# Altium PCB Drone.PcbDoc (part 1 of 2) (continued)
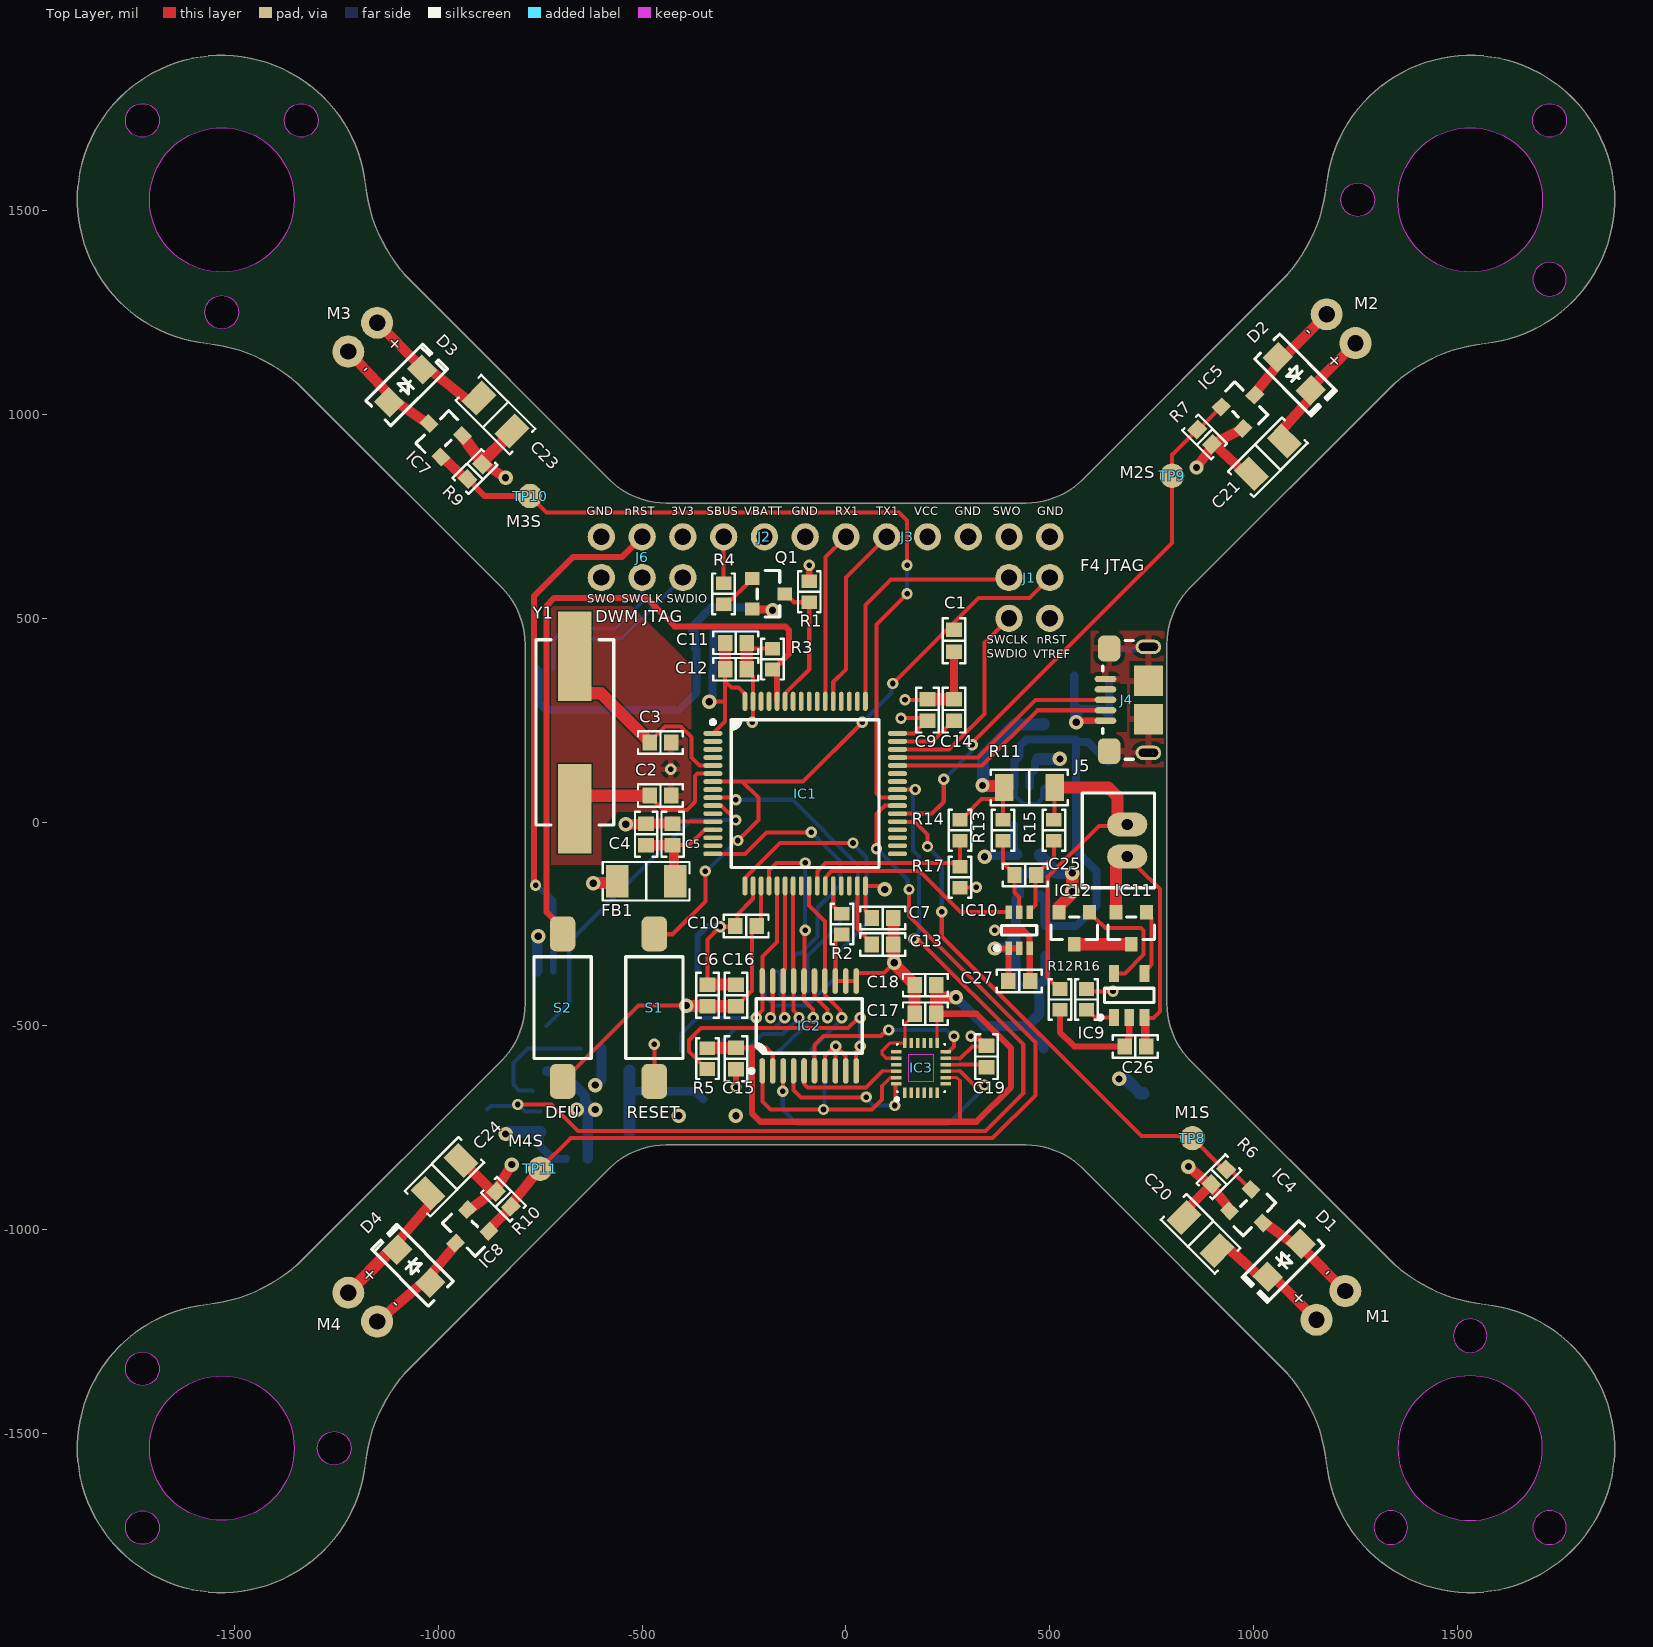
[diagram p0: Top Layer view]

## Layer stack, top to bottom
Top Solder: solder mask 0.4, Solder Resist, Dk 3.5
Top Layer: signal copper 1.4
Dielectric 2: prepreg 2.8, PP-006, Dk 4.1
Layer 1: plane copper 1.378, net GND
Dielectric5: dielectric 12.6, FR-4, Dk 4.8
Layer 2: signal copper 1.378
Dielectric 1: dielectric 12.6, FR-4, Dk 4.8
Bottom Layer: signal copper 1.4
Bottom Solder: solder mask 0.4, Solder Resist, Dk 3.5

## Board outline
-1178.56,-1572.27 cw(c-1531,-1535.69) -1567.57,-1183.26 ccw(c-1608.21,-791.66) -1329.82,-1070.05 -844.92,-585.15 ccw(c-984.11,-445.95) -787.26,-445.95 -787.26,436.84 ccw(c-984.11,436.84) -844.92,576.03 -1329.82,1060.93 ccw(c-1608.21,782.54) -1567.57,1174.14 cw(c-1531,1526.58) -1178.56,1563.15 ccw(c-786.96,1603.79) -1065.35,1325.4 -580.45,840.5 ccw(c-441.25,979.7) -441.25,782.84 441.54,782.84 ccw(c441.54,979.7) 580.73,840.5 1065.63,1325.4 ccw(c787.24,1603.79) 1178.84,1563.15 cw(c1531.28,1526.58) 1567.85,1174.14 ccw(c1608.49,782.54) 1330.1,1060.93 845.2,576.03 ccw(c984.39,436.84) 787.54,436.84 787.54,-445.95 ccw(c984.39,-445.95) 845.2,-585.15 1330.1,-1070.05 ccw(c1608.49,-791.66) 1567.85,-1183.26 cw(c1531.28,-1535.69) 1178.84,-1572.27 ccw(c787.24,-1612.9) 1065.63,-1334.52 580.73,-849.61 ccw(c441.54,-988.81) 441.54,-791.96 -441.25,-791.96 ccw(c-441.25,-988.81) -580.45,-849.61 -1065.35,-1334.52 ccw(c-786.96,-1612.9)
cut-out: -1725.87,1680.11 cw(c-1725.87,1721.45) -1767.21,1721.45 cw(c-1725.87,1721.45) -1725.87,1762.79 cw(c-1725.87,1721.45) -1684.53,1721.45 cw(c-1725.87,1721.45)
cut-out: -1336.12,1680.11 cw(c-1336.12,1721.45) -1377.46,1721.45 cw(c-1336.12,1721.45) -1336.12,1762.79 cw(c-1336.12,1721.45) -1294.79,1721.45 cw(c-1336.12,1721.45)
cut-out: -1531,1209.65 cw(c-1531,1250.99) -1572.33,1250.99 cw(c-1531,1250.99) -1531,1292.33 cw(c-1531,1250.99) -1489.66,1250.99 cw(c-1531,1250.99)
cut-out: -1531,1349.41 cw(c-1531,1526.58) -1708.16,1526.58 cw(c-1531,1526.58) -1531,1703.75 cw(c-1531,1526.58) -1353.83,1526.58 cw(c-1531,1526.58)
cut-out: -1255.41,-1577.03 cw(c-1255.41,-1535.69) -1296.74,-1535.69 cw(c-1255.41,-1535.69) -1255.41,-1494.36 cw(c-1255.41,-1535.69) -1214.07,-1535.69 cw(c-1255.41,-1535.69)
cut-out: -1725.87,-1382.16 cw(c-1725.87,-1340.82) -1767.21,-1340.82 cw(c-1725.87,-1340.82) -1725.87,-1299.48 cw(c-1725.87,-1340.82) -1684.53,-1340.82 cw(c-1725.87,-1340.82)
cut-out: -1725.87,-1771.9 cw(c-1725.87,-1730.57) -1767.21,-1730.57 cw(c-1725.87,-1730.57) -1725.87,-1689.23 cw(c-1725.87,-1730.57) -1684.53,-1730.57 cw(c-1725.87,-1730.57)
cut-out: -1531,-1712.86 cw(c-1531,-1535.69) -1708.16,-1535.69 cw(c-1531,-1535.69) -1531,-1358.53 cw(c-1531,-1535.69) -1353.83,-1535.69 cw(c-1531,-1535.69)
cut-out: 1684.81,-1730.57 ccw(c1726.15,-1730.57) 1726.15,-1771.9 ccw(c1726.15,-1730.57) 1767.49,-1730.57 ccw(c1726.15,-1730.57) 1726.15,-1689.23 ccw(c1726.15,-1730.57)
cut-out: 1489.94,-1260.1 ccw(c1531.28,-1260.1) 1531.28,-1301.44 ccw(c1531.28,-1260.1) 1572.62,-1260.1 ccw(c1531.28,-1260.1) 1531.28,-1218.76 ccw(c1531.28,-1260.1)
cut-out: 1295.07,-1730.57 ccw(c1336.41,-1730.57) 1336.41,-1771.9 ccw(c1336.41,-1730.57) 1377.74,-1730.57 ccw(c1336.41,-1730.57) 1336.41,-1689.23 ccw(c1336.41,-1730.57)
cut-out: 1354.11,-1535.69 ccw(c1531.28,-1535.69) 1531.28,-1712.86 ccw(c1531.28,-1535.69) 1708.44,-1535.69 ccw(c1531.28,-1535.69) 1531.28,-1358.53 ccw(c1531.28,-1535.69)
cut-out: 1684.81,1331.71 ccw(c1726.15,1331.71) 1726.15,1290.37 ccw(c1726.15,1331.71) 1767.49,1331.71 ccw(c1726.15,1331.71) 1726.15,1373.05 ccw(c1726.15,1331.71)
cut-out: 1726.15,1680.11 cw(c1726.15,1721.45) 1684.81,1721.45 cw(c1726.15,1721.45) 1726.15,1762.79 cw(c1726.15,1721.45) 1767.49,1721.45 cw(c1726.15,1721.45)
cut-out: 1354.11,1526.58 cw(c1531.28,1526.58) 1531.28,1703.75 cw(c1531.28,1526.58) 1708.44,1526.58 cw(c1531.28,1526.58) 1531.28,1349.41 cw(c1531.28,1526.58)
cut-out: 1255.69,1485.24 cw(c1255.69,1526.58) 1214.35,1526.58 cw(c1255.69,1526.58) 1255.69,1567.92 cw(c1255.69,1526.58) 1297.03,1526.58 cw(c1255.69,1526.58)

## Design rules (kind name [scope] priority, off if disabled: settings)
BoardOutlineClearance [All] p1: gap=7.87 ignorepadtopadclearanceinfootprint=FALSE
Clearance [All] p1: gap=4 ignorepadtopadclearanceinfootprint=FALSE except(5: Arc-Via Track-Via SMDPad-Via THPad-Via Via-Via Via-Fill Via-Poly Via-Region Via-Text; 9.84: Arc-Hole Track-Hole SMDPad-Hole THPad-Hole Via-Hole Fill-Hole Poly-Hole Region-Hole Text-Hole)
DiffPairsRouting [All] p1: maxlimit=4 minlimit=4 mostfreqgap=4 toplayer_minwidth=4 toplayer_maxwidth=71497.94 toplayer_prefwidth=4 midlayer2_minwidth=4 midlayer2_maxwidth=71497.94 midlayer2_prefwidth=4 bottomlayer_minwidth=4 bottomlayer_maxwidth=71497.94 bottomlayer_prefwidth=4 maxuncoupledlength=500
HoleSize [All] p1: absolutevalues=TRUE maxlimit=248.03 minlimit=7.87 maxpercent=80.000 minpercent=20.000
HoleToHoleClearance [All] p1: gap=9.84 allowstackedmicrovias=FALSE
MinimumAnnularRing [All] p1: minimumring=3
MinimumSolderMaskSliver [All] p1: minsoldermaskwidth=0
PlaneClearance [All] p1: clearance=20
PlaneConnect [All] p1: planeconnectstyle=Direct reliefexpansion=20 reliefentries=4 reliefconductorwidth=10 reliefairgap=10
PolygonConnect [All] p1: connectstyle=Relief reliefconductorwidth=15 reliefentries=4 polygonreliefangle="90 Angle" airgapwidth=10
RoutingVias [All] p1: holewidth=7.87 width=17.72 viastyle="Through Hole" minholewidth=7.87 minwidth=17.72 maxholewidth=248.03 maxwidth=257.87
SilkToSilkClearance [All] p1: silktosilkclearance=0
SilkToSolderMaskClearance [IsPad] p1: minsilkscreentomaskgap=4 clearancetoexposedcopper=TRUE
SolderMaskExpansion [All] p1: expansion=2.95 istentingtop=FALSE
UnRoutedNet [All] p1: checkbadconnections=TRUE
Width [All] p1: maxlimit=71497.94 minlimit=4 preferedwidth=10 minimp=50.000000 maximp=50.000000 favimp=50.000000
21 further rules are at their usual default settings.

## Classes and differential pairs
component class UWB: BT_WAKE C32 C33 IC16 J6 RDY RX TP16 TP17 TP18 TP19 TX
component class STM32: C1 C2 C3 C4 C5 C6 C7 C9 C10 C11 C12 C13 C14 FB1 IC1 J1 J2 J3 J4 Q1 R1 R2 R3 R4 S1 S2 Y1
component class Power: C25 C26 C27 C28 C29 C30 C31 D5 IC9 IC10 IC11 IC12 IC13 IC14 IC15 J5 R11 R12 R13 R14 R15 R16 R17 R18 TP12 TP14 TP15
component class IMU: C15 C16 C17 C18 C19 IC2 IC3 R5 TP1 TP2 TP3 TP4 TP5 TP6
component class Actuators: C20 C21 C22 C23 C24 D1 D2 D3 D4 IC4 IC5 IC6 IC7 IC8 L1 M1 M2 M3 M4 R6 R7 R8 R9 R10 TP7 TP8 TP9 TP10 TP11

## Components (designator, comment, footprint, x,y, rotation, side; value= is the part's Value field where it differs from the comment)
C1 "0.1µF" "CAP 0603_1608" 265,445 r90 top
C2 "22pF" "CAP 0603_1608" -455,65 r180 top
C3 "22pF" "CAP 0603_1608" -455,195 r180 top
C4 "1µF" "CAP 0603_1608" -490,-30 r270 top
C5 "0.1µF" "CAP 0603_1608" -425,-30 r270 top
C6 "10µF" "CAP 0603_1608" -340,-425 r270 top
C7 "0.1µF" "CAP 0603_1608" 90,-235 r180 top
C9 "0.1µF" "CAP 0603_1608" 200,275 r270 top
C10 "0.1µF" "CAP 0603_1608" -245,-255 r0 top
C11 "0.1µF" "CAP 0603_1608" -270,440 r180 top
C12 "0.1µF" "CAP 0603_1608" -270,375 r180 top
C13 "2.2µF" "CAP 0603_1608" 90,-300 r180 top
C14 "2.2µF" "CAP 0603_1608" 265,275 r270 top
C15 "0.1µF" "CAP 0603_1608" -270,-580 r270 top
C16 "0.1µF" "CAP 0603_1608" -270,-425 r270 top
C17 "0.1µF" "CAP 0603_1608" 195,-470 r0 top
C18 "0.1µF" "CAP 0603_1608" 195,-400 r0 top
C19 "0.1µF" "CAP 0603_1608" 345,-575 r270 top
C20 "22µF" "CAP 1206_3216 - 1.8MM" 870,-1010 r315 top
C21 "22µF" "CAP 1206_3216 - 1.8MM" 1035,895 r45 top
C22 "2.2µF" "CAP 0603_1608" -660,-825 r180 bottom
C23 "22µF" "CAP 1206_3216 - 1.8MM" -859.63,999.63 r135 top
C24 "22µF" "CAP 1206_3216 - 1.8MM" -985,-870 r225 top
C25 "0.022µF" "CAP 0603_1608" 440,-130 r180 top
C26 "0.1µF" "CAP 0603_1608" 710,-550 r180 top
C27 "0.1µF" "CAP 0603_1608" 425,-390 r180 top
C28 "1µF" "CAP 0603_1608" 445,155 r180 bottom
C29 "1µF" "CAP 0603_1608" 450,-80 r180 bottom
C30 "1µF" "CAP 0603_1608" 450,-180 r0 bottom
C31 "1µF" "CAP 0603_1608" 448.43,-400 r0 bottom
C32 "10µF" "CAP 0603_1608" -225,500 r270 bottom
C33 "0.1µF" "CAP 0603_1608" -351.57,475 r0 bottom
D1 "V2FL45-M3/H" "SMF DO-219AB" 1075,-1075 r225 top
D2 "V2FL45-M3/H" "SMF DO-219AB" 1100,1100 r315 top
D3 "V2FL45-M3/H" "SMF DO-219AB" -1080,1070 r45 top
D4 "V2FL45-M3/H" "SMF DO-219AB" -1060.37,-1089.63 r135 top
D5 "SS1FL3-M3/H" "SMF DO-219AB" 645,205 r270 bottom
FB1 "BLM31KN601BH1L" "FER 1206_3216" -490,-145 r0 top
IC1 "STM32F405RGT6TR" "ST LQFP-64 10X10MM" -100,70 r0 top
IC2 "TXB0108PWR" "TI TSSOP-20 PW" -90,-500 r90 top
IC3 "ICM-20948" ICM-20948 184.17,-602.87 r90 top
IC4 "FDN339AN" "ON SEMI SOT-23-3" 995,-955 r315 top
IC5 "FDN339AN" "ON SEMI SOT-23-3" 975,1020 r45 top
IC6 "MIC4802YME" SOIC127P610X160_HS-9N -640,-685 r0 bottom
IC7 "FDN339AN" "ON SEMI SOT-23-3" -995,950 r135 top
IC8 "FDN339AN" "ON SEMI SOT-23-3" -930,-1005 r225 top
IC9 "AP9101CK-AHTRG1" SOT95P285X140-5N 695,-425 r90 top
IC10 "INA190A2IDCKT" SOT65P210X110-6N 425,-265 r90 top
IC11 "DMN1019USN-13" "DIODES SOT-23-3" 700,-260 r270 top
IC12 "DMN1019USN-13" "DIODES SOT-23-3" 560,-260 r270 top
IC13 "AP2112K-3.3TRG1" "DIODES SOT-23-5 W5" 450,40 r270 bottom
IC14 "AP7313-18SAG-7" "DIODES SOT-23-3" 450,-290 r180 bottom
IC15 "DMG2305UX-13" "DIODES SOT-23-3" 525,240 r180 bottom
IC16 "DWM1001" DWM1001 -596.65,4.13 r270 bottom
J1 "SWD Header" "SWD HEADER" 500,500 r180 top
J2 "SBUS Header" "SBUS HEADER" -300,700 r0 top
J3 "UART Header" "UART HEADER" 0,700 r0 top
J4 "10118193-0001LF" "FCI USB 10118193-0001LF" 740,300 r270 top
J5 "B2B-PH-K-S(LF)(SN)" "JST B2B-PH-K" 690,-45 r270 top
J6 "SWD Header" "SWD HEADER" -400,700 r270 top
L1 "SCP9WTF1HEL1WKG34E" LED -340,-700 r90 bottom
M1 "Motor Header" "MOTOR HEADER" 1154.29,-1220.71 r45 top
M2 "Motor Header" "MOTOR HEADER" 1250,1175 r135 top
M3 "Motor Header" "MOTOR HEADER" -1150,1225 r225 top
M4 "Motor Header" "MOTOR HEADER" -1220.71,-1154.29 r315 top
Q1 "BC847A-7-F" "DIODES SOT-23-3" -190,560 r0 top
R1 "10 kOhms" "RES 0603_1608" -90,565 r90 top
R2 "10 kOhms" "RES 0603_1608" -10,-250 r90 top
R3 "10 kOhms" "RES 0603_1608" -180,400 r270 top
R4 "1 kOhms" "RES 0603_1608" -300,560 r270 top
R5 "10 kOhms" "RES 0603_1608" -340,-580 r270 top
R6 "10 kOhms" "RES 0603_1608" 915,-870 r45 top
R7 "10 kOhms" "RES 0603_1608" 880,945 r135 top
R8 "20 kOhms" "RES 0603_1608" -625,-555 r180 bottom
R9 "10 kOhms" "RES 0603_1608" -910,860 r225 top
R10 "10 kOhms" "RES 0603_1608" -840,-925 r315 top
R11 "12 mOhms" "STACKPOLE CSR1206" 450,85 r180 top
R12 "330 Ohms" "RES 0603_1608" 525,-435 r90 top
R13 "100 Ohms" "RES 0603_1608" 385,-20 r90 top
R14 "10 kOhms" "RES 0603_1608" 280,-20 r270 top
R15 "100 Ohms" "RES 0603_1608" 510,-20 r90 top
R16 "2.7 kOhms" "RES 0603_1608" 590,-435 r270 top
R17 "30 kOhms" "RES 0603_1608" 280,-135 r90 top
R18 "10 kOhms" "RES 0603_1608" 645,374.41 r270 bottom
S1 "FSMSM" "TE FSMSMTR" -470,-455 r180 top
S2 "FSMSM" "TE FSMSMTR" -695,-455 r0 top
TP1 "TestPoint" TESTPOINT -85,-560 r180 bottom
TP2 "TestPoint" TESTPOINT -165,-560 r90 bottom
TP3 "TestPoint" TESTPOINT -245,-560 r90 bottom
TP4 "TestPoint" TESTPOINT -50,-640 r90 bottom
TP5 "TestPoint" TESTPOINT -325,-560 r90 bottom
TP6 "TestPoint" TESTPOINT -405,-560 r90 bottom
TP7 "TestPoint" TESTPOINT -880,-705 r90 bottom
TP8 "TestPoint" TESTPOINT 850,-775 r180 top
TP9 "TestPoint" TESTPOINT 800,850 r135 top
TP10 "TestPoint" TESTPOINT -775,800 r90 top
TP11 "TestPoint" TESTPOINT -750,-850 r90 top
TP12 "TestPoint" TESTPOINT 560,360 r90 bottom
TP14 "TestPoint" TESTPOINT 485,-555 r90 bottom
TP15 "TestPoint" TESTPOINT 730,-665 r90 bottom
TP16 "TestPoint" TESTPOINT -735,-500 r90 bottom
TP17 "TestPoint" TESTPOINT -15,-235 r90 bottom
TP18 "TestPoint" TESTPOINT -15,-155 r90 bottom
TP19 "TestPoint" TESTPOINT -15,-315 r90 bottom
Y1 "8MHz" "ABRACON ABLS" -665,220 r270 top

## Footprints (in the part's own frame and the unit in brackets; to place one, negate y for a bottom-side part, rotate by r counter-clockwise, add the part's x,y. Pads: shape width x height; smd on the part's side, far side on the other; paste and mask are expansions set on the pad)
"ABRACON ABLS" [mm] "Crystal, 2-Leads, Body 4.70x11.40mm, Pitch 8.80mm, IPC Medium Density"
  rect 5.6x2.1 smd: 1(-4.75,0) 2(4.75,0)
  silkscreen extent -5.77,-2.43 5.77,2.43, body extent -6.35,-2.35 6.35,2.35, height 4.2
"CAP 0603_1608" [mm] "Chip Capacitor, 2-Leads, Body 1.60x0.80mm, IPC Medium Density"
  rect 0.9x1 smd: 1(-0.675,0) 2(0.675,0)
  silkscreen extent -1.4,-0.7 1.4,0.7, body extent -0.8,-0.41 0.8,0.41, height 0.82
"CAP 1206_3216 - 1.8MM" [mm] "Chip Capacitor, 2-Leads, Body 3.25x1.60mm, IPC Medium Density"
  rect 1.3x1.8 smd: 1(-1.45,0) 2(1.45,0)
  silkscreen extent -2.37,-1.12 2.37,1.12, body extent -1.6,-0.8 1.6,0.8, height 1.8
"DIODES SOT-23-3" [mm] "SOT23, 3-Leads, Body 2.90x2.40mm, Pitch 0.95mm, IPC Medium Density"
  rect 0.9x0.8 smd: 1(-1,0.95) 2(-1,-0.95) 3(1,0)
  silkscreen extent -0.7,-1.45 0.7,1.45, body extent -1.41,-1.45 1.41,1.45, height 1.5
"DIODES SOT-23-5 W5" [mm] "SOT23, 5-Leads, Body 3.00x2.85mm, Pitch 0.95mm, IPC Medium Density"
  rect 0.8x0.55 smd: 1(-1.2,0.95) 2(-1.2,0) 3(-1.2,-0.95) 4(1.2,-0.95) 5(1.2,0.95)
  silkscreen extent -1.32,-1.55 0.45,1.9, body extent -1.41,-1.45 1.41,1.45, height 1.5
DWM1001 [mm]
  rect 2.54x0.65 smd: 1(-9.42,4.085) 2(-9.42,3.085) 3(-9.42,2.085) 4(-9.42,1.085) 5(-9.42,0.085) 6(-9.42,-0.915) 7(-9.42,-1.915) 8(-9.42,-2.915) 9(-9.42,-3.915) 10(-9.42,-4.915) 11(-9.42,-5.915) 12(-9.42,-6.915) 13(-9.42,-7.915) 14(-9.42,-8.915) 15(-9.42,-9.915) 16(-9.42,-10.915) 17(-9.42,-11.915) 18(9.42,-11.915) 19(9.42,-10.915) 20(9.42,-9.915) 21(9.42,-8.915) 22(9.42,-7.915) 23(9.42,-6.915) 24(9.42,-5.915) 25(9.42,-4.915) 26(9.42,-3.915) 27(9.42,-2.915) 28(9.42,-1.915) 29(9.42,-0.915) 30(9.42,0.085) 31(9.42,1.085) 32(9.42,2.085) 33(9.42,3.085) 34(9.42,4.085)
  round 1 smd: 35(-2.435,-10.865)
  silkscreen extent -11.4,-13.07 9.56,4.3, body extent -9.57,-13.04 9.56,13.08, height 3.2
"FCI USB 10118193-0001LF" [mm] "USB 2.0 Type B Micro"
  oval 0.4x1.35 smd: 1(1.3,-2.625) 2(0.65,-2.625) 3(0,-2.625) 4(-0.65,-2.625) 5(-1.3,-2.625)
  oval 0.9x1.6 hole 0.5 slot 1.2 at 90 deg: S(-3.3,0.05) S(3.3,0.05)
  rrect50% 1.6x1.4 smd: S(-3.2,-2.4) S(3.2,-2.4)
  rect 1.9x1.8 smd: S(-1.2,0.05) S(1.2,0.05)
  silkscreen extent -3.7,-2.8 3.7,-0.9, body extent -3.93,-2.9 3.93,2.76, height 2.78
"FER 1206_3216" [mm] "Chip Ferrite, 2-Leads, Body 3.20x1.60mm, IPC Medium Density"
  rect 1.4x2 smd: 1(-1.8,0) 2(1.8,0)
  silkscreen extent -2.7,-1.2 2.7,1.2, body extent -1.65,-0.85 1.65,0.85, height 1.3
ICM-20948 [mm]
  rect 0.64x0.22 smd mask+0.025: 1(-1.545,1) 2(-1.545,0.6) 3(-1.545,0.2) 4(-1.545,-0.2) 5(-1.545,-0.6) 6(-1.545,-1) 13(1.545,-1) 14(1.545,-0.6) 15(1.545,-0.2) 16(1.545,0.2) 17(1.545,0.6) 18(1.545,1)
  rect 0.22x0.64 smd mask+0.025: 7(-1,-1.545) 8(-0.6,-1.545) 9(-0.2,-1.545) 10(0.2,-1.545) 11(0.6,-1.545) 12(1,-1.545) 19(1,1.545) 20(0.6,1.545) 21(0.2,1.545) 22(-0.2,1.545) 23(-0.6,1.545) 24(-1,1.545)
  Keep-Out Layer region: 0.85,-0.77 -0.85,-0.77 -0.85,0.77 0.85,0.77
  Keep-Out Layer region: 0.85,-0.77 -0.85,-0.77 -0.85,0.77 0.85,0.77
  silkscreen extent -2.06,-1.5 1.5,1.6, body extent -1.5,-1.5 1.5,1.5, height 1
"JST B2B-PH-K" [mm]
  oval 1.5x2.5 hole 0.7: 1(-1,0) 2(1,0)
  silkscreen extent -2.95,-2.8 2.95,1.7, body extent -2.95,-2.8 2.95,1.7, height 6
LED [mm] "Chip Diode, 2-Leads, Body 2.36x2.36mm, IPC Medium Density"
  rect 0.53x1.3 smd mask+0.05: Anode(-0.4,0) Cathode(0.4,0)
  silkscreen extent -1.4,-1.4 1.4,1.4
"MOTOR HEADER" [mm]
  round 2 hole 1.016: +(0,0) -(2.54,0)
"ON SEMI SOT-23-3" [mm] "SOT23, 3-Leads, Body 2.90x2.40mm, Pitch 0.95mm, IPC Medium Density"
  rect 0.9x0.8 smd: 1(-1,0.95) 2(-1,-0.95) 3(1,0)
  silkscreen extent -0.7,-1.45 0.7,1.45, body extent -1.16,-1.45 1.16,1.45, height 1
"RES 0603_1608" [mm] "Chip Resistor, 2-Leads, Body 1.60x0.80mm, IPC Medium Density"
  rect 0.85x0.95 smd: 1(-0.65,0) 2(0.65,0)
  silkscreen extent -1.27,-0.7 1.27,0.7, body extent -0.8,-0.4 0.8,0.4, height 0.45
"SBUS HEADER" [mm]
  round 1.7 hole 1.016: GND(5.08,0) SBUS(0,0) VCC(2.54,0)
"SMF DO-219AB" [mm] "Molded Diode, 2-Leads, Body 3.90x1.90mm, IPC Medium Density"
  rect 1.3x1.4 smd: 1(-1.45,0) 2(1.45,0)
  silkscreen extent -2.4,-1.1 2.59,1.1, body extent -1.5,-0.9 1.5,0.9, height 1.18
SOIC127P610X160_HS-9N [mm] "SOIC, 8-Leads, Body 5.00x4.05mm, Pitch 1.27mm, Thermal Pad 3.10x2.41mm, IPC Medium Density"
  oval 1.45x0.6 smd: 1(-2.775,1.905) 2(-2.775,0.635) 3(-2.775,-0.635) 4(-2.775,-1.905) 5(2.775,-1.905) 6(2.775,-0.635) 7(2.775,0.635) 8(2.775,1.905)
  rect 2.41x3.1 smd: EPAD(0,0)
  silkscreen extent -2.9,-2.5 1.65,2.88, body extent -3.1,-2.49 3.1,2.49, height 1.68
SOT65P210X110-6N [mm] "SOT23, 6-Leads, Body 2.00x2.10mm, Pitch 0.65mm, IPC Medium Density"
  rect 0.85x0.4 smd mask+0.051: 1(-1.125,0.65) 2(-1.125,0) 3(-1.125,-0.65) 4(1.125,-0.65) 5(1.125,0) 6(1.125,0.65)
  silkscreen extent -1.25,-1.1 0.3,1.52, body extent -1.2,-1.07 1.2,1.07, height 1.1
SOT95P285X140-5N [mm] "SOT23, 5-Leads, Body 3.00x2.85mm, Pitch 0.95mm, IPC Medium Density"
  rect 1.05x0.6 smd: 1(-1.375,0.95) 2(-1.375,0) 3(-1.375,-0.95) 4(1.375,-0.95) 5(1.375,0.95)
  silkscreen extent -1.5,-1.55 0.45,1.92, body extent -1.5,-1.55 1.5,1.55, height 1.4
"ST LQFP-64 10X10MM" [mm] "LQFP, 64-Leads, Body 10.00x10.00mm, Pitch 0.50mm, IPC Medium Density"
  oval 1.2x0.3 smd mask+0.025: 1(-5.75,3.75) 2(-5.75,3.25) 3(-5.75,2.75) 4(-5.75,2.25) 5(-5.75,1.75) 6(-5.75,1.25) 7(-5.75,0.75) 8(-5.75,0.25) 9(-5.75,-0.25) 10(-5.75,-0.75) 11(-5.75,-1.25) 12(-5.75,-1.75) 13(-5.75,-2.25) 14(-5.75,-2.75) 15(-5.75,-3.25) 16(-5.75,-3.75) 33(5.75,-3.75) 34(5.75,-3.25) 35(5.75,-2.75) 36(5.75,-2.25) 37(5.75,-1.75) 38(5.75,-1.25) 39(5.75,-0.75) 40(5.75,-0.25) 41(5.75,0.25) 42(5.75,0.75) 43(5.75,1.25) 44(5.75,1.75) 45(5.75,2.25) 46(5.75,2.75) 47(5.75,3.25) 48(5.75,3.75)
  oval 0.3x1.2 smd mask+0.025: 17(-3.75,-5.75) 18(-3.25,-5.75) 19(-2.75,-5.75) 20(-2.25,-5.75) 21(-1.75,-5.75) 22(-1.25,-5.75) 23(-0.75,-5.75) 24(-0.25,-5.75) 25(0.25,-5.75) 26(0.75,-5.75) 27(1.25,-5.75) 28(1.75,-5.75) 29(2.25,-5.75) 30(2.75,-5.75) 31(3.25,-5.75) 32(3.75,-5.75) 49(3.75,5.75) 50(3.25,5.75) 51(2.75,5.75) 52(2.25,5.75) 53(1.75,5.75) 54(1.25,5.75) 55(0.75,5.75) 56(0.25,5.75) 57(-0.25,5.75) 58(-0.75,5.75) 59(-1.25,5.75) 60(-1.75,5.75) 61(-2.25,5.75) 62(-2.75,5.75) 63(-3.25,5.75) 64(-3.75,5.75)
  silkscreen extent -5.87,-4.6 4.6,4.6, body extent -6.01,-6.01 6.01,6.01, height 1.6
"STACKPOLE CSR1206" [mm] "Chip Resistor, 2-Leads, Body 3.13x1.55mm, IPC Medium Density"
  rect 1.15x1.7 smd: 1(-1.575,0) 2(1.575,0)
  silkscreen extent -2.4,-1.1 2.4,1.1, body extent -1.6,-0.78 1.6,0.77, height 0.55
"SWD HEADER" [mm]
  round 1.7 hole 1.016: GND(0,-5.08) nRST(0,-2.54) SWCLK(2.54,-2.54) SWDIO(2.54,0) SWO(2.54,-5.08) VTREF(0,0)
"TE FSMSMTR" [mm]
  rrect50% 1.6x2.19 smd: 1(0,4.595) 2(0,-4.595)
  silkscreen extent -1.78,-3.18 1.78,3.18, body extent -1.75,-4.98 1.75,4.98, height 4.42
TESTPOINT [mil]
  round 60 smd paste-999: 1(0,0)
"TI TSSOP-20 PW" [mm] "TSSOP, 20-Leads, Body 6.50x4.40mm, Pitch 0.65mm, IPC Medium Density"
  oval 1.6x0.35 smd: 1(-2.8,2.925) 2(-2.8,2.275) 3(-2.8,1.625) 4(-2.8,0.975) 5(-2.8,0.325) 6(-2.8,-0.325) 7(-2.8,-0.975) 8(-2.8,-1.625) 9(-2.8,-2.275) 10(-2.8,-2.925) 11(2.8,-2.925) 12(2.8,-2.275) 13(2.8,-1.625) 14(2.8,-0.975) 15(2.8,-0.325) 16(2.8,0.325) 17(2.8,0.975) 18(2.8,1.625) 19(2.8,2.275) 20(2.8,2.925)
  silkscreen extent -2.92,-3.3 1.7,3.72, body extent -3.21,-3.25 3.21,3.25, height 1.2
"UART HEADER" [mm]
  round 1.7 hole 1.016: GND(7.62,0) RX(0,0) TX(2.54,0) VCC(5.08,0)

## Part data
C1 C5 C7 C9 C10 C11 C12 C15 C16 C17 C18 C19 C26 C27 C33: library part CC0603KRX7R7BB104, "CAP CER 0.1UF 16V X7R 0603", Device Package="0603 (1608 Metric)", Manufacturer=Yageo, Operating Temperature="-55°C ~ 125°C", Supplier Part Number 1=311-1088-1-ND, Temperature Coefficient=X7R, Tolerance=±10%, Voltage - Rated=16V, Applications="General Purpose", Capacitance=0.1µF, ComponentLink1Description=Datasheet, ComponentLink1URL=https://www.yageo.com/upload/media/product/productsearch/datasheet/mlcc/UPY-GPHC_X7R_6.3V-to-50V_18.pdf, ComponentLink2Description="DigiKey Link", ComponentLink2URL=http://digikey.com/product-detail/en/yageo/CC0603KRX7R7BB104/311-1088-1-ND/302998, LastUpdated="9/2/2020 1:03:05 AM", Lifecycle Status=Active, Minimum Order=1, Mounting Type="Surface Mount, MLCC", Package / Case="0603 (1608 Metric)", Packaging=TapeAndReel, Part Number=CC0603KRX7R7BB104, Part Status=Active, PartId=16746, Price=0.01, Series=CC, Size / Dimension="0.063\" L x 0.031\" W (1.60mm x 0.80mm)", Supplier 1=DigiKey, Thickness (Max)="0.035\" (0.90mm)"
C2 C3: library part CC0603JRNPO8BN220, "CAP CER 22PF 25V NPO 0603", Device Package="0603 (1608 Metric)", Manufacturer=Yageo, Operating Temperature="-55°C ~ 125°C", Supplier Part Number 1=311-3952-1-ND, Temperature Coefficient="C0G, NP0", Tolerance=±5%, Voltage - Rated=25V, Applications="General Purpose", Capacitance=22pF, ComponentLink1Description=Datasheet, ComponentLink1URL=https://www.yageo.com/upload/media/product/productsearch/datasheet/mlcc/UPY-GP_NP0_16V-to-50V_17.pdf, ComponentLink2Description="DigiKey Link", ComponentLink2URL=http://digikey.com/product-detail/en/yageo/CC0603JRNPO8BN220/311-3952-1-ND/8025041, LastUpdated="9/2/2020 1:03:33 AM", Lifecycle Status=Active, Minimum Order=1, Mounting Type="Surface Mount, MLCC", Package / Case="0603 (1608 Metric)", Packaging=TapeAndReel, Part Number=CC0603JRNPO8BN220, Part Status=Active, PartId=3642, Price=0.01, Series=CC, Size / Dimension="0.063\" L x 0.031\" W (1.60mm x 0.80mm)", Supplier 1=DigiKey, Thickness (Max)="0.035\" (0.90mm)"
C4 C28 C29 C30 C31: library part CC0603MRX5R7BB105, "CAP CER 1UF 16V X5R 0603", Device Package="0603 (1608 Metric)", Manufacturer=Yageo, Operating Temperature="-55°C ~ 85°C", Supplier Part Number 1=311-1821-1-ND, Temperature Coefficient=X5R, Tolerance=±20%, Voltage - Rated=16V, Applications="General Purpose", Capacitance=1µF, ComponentLink1Description=Datasheet, ComponentLink1URL=https://www.yageo.com/upload/media/product/productsearch/datasheet/mlcc/UPY-GPHC_X5R_4V-to-50V_25.pdf, ComponentLink2Description="DigiKey Link", ComponentLink2URL=http://digikey.com/product-detail/en/yageo/CC0603MRX5R7BB105/311-1821-1-ND/5195723, LastUpdated="9/2/2020 1:03:23 AM", Lifecycle Status=Active, Minimum Order=1, Mounting Type="Surface Mount, MLCC", Package / Case="0603 (1608 Metric)", Packaging=TapeAndReel, Part Number=CC0603MRX5R7BB105, Part Status=Active, PartId=9229, Price=0.02, Series=CC, Size / Dimension="0.063\" L x 0.031\" W (1.60mm x 0.80mm)", Supplier 1=DigiKey, Thickness (Max)="0.035\" (0.90mm)"
C6 C32: library part CC0603MRX5R8BB106, "CAP CER 10UF 25V X5R 0603", Device Package="0603 (1608 Metric)", Manufacturer=Yageo, Operating Temperature="-55°C ~ 85°C", Supplier Part Number 1=311-3494-1-ND, Temperature Coefficient=X5R, Tolerance=±20%, Voltage - Rated=25V, Applications="General Purpose", Capacitance=10µF, ComponentLink1Description=Datasheet, ComponentLink1URL=https://www.yageo.com/upload/media/product/productsearch/datasheet/mlcc/UPY-GPHC_X5R_4V-to-50V_25.pdf, ComponentLink2Description="DigiKey Link", ComponentLink2URL=http://digikey.com/product-detail/en/yageo/CC0603MRX5R8BB106/311-3494-1-ND/7164515, LastUpdated="9/2/2020 1:02:55 AM", Lifecycle Status=Active, Minimum Order=1, Mounting Type="Surface Mount, MLCC", Package / Case="0603 (1608 Metric)", Packaging=TapeAndReel, Part Number=CC0603MRX5R8BB106, Part Status=Active, PartId=27362, Price=0.20, Series=CC, Supplier 1=DigiKey
C13 C14 C22: library part CC0603KRX5R7BB225, "CAP CER 2.2UF 16V X5R 0603", Device Package="0603 (1608 Metric)", Manufacturer=Yageo, Operating Temperature="-55°C ~ 85°C", Supplier Part Number 1=311-1784-1-ND, Temperature Coefficient=X5R, Tolerance=±10%, Voltage - Rated=16V, Applications="General Purpose", Capacitance=2.2µF, ComponentLink1Description=Datasheet, ComponentLink1URL=https://www.yageo.com/upload/media/product/productsearch/datasheet/mlcc/UPY-GPHC_X5R_4V-to-50V_25.pdf, ComponentLink2Description="DigiKey Link", ComponentLink2URL=http://digikey.com/product-detail/en/yageo/CC0603KRX5R7BB225/311-1784-1-ND/5195686, LastUpdated="9/2/2020 1:03:11 AM", Lifecycle Status=Active, Minimum Order=1, Mounting Type="Surface Mount, MLCC", Package / Case="0603 (1608 Metric)", Packaging=TapeAndReel, Part Number=CC0603KRX5R7BB225, Part Status=Active, PartId=15051, Price=0.03, Series=CC, Size / Dimension="0.063\" L x 0.031\" W (1.60mm x 0.80mm)", Supplier 1=DigiKey, Thickness (Max)="0.035\" (0.90mm)"
C20 C21 C23 C24: library part C3216X5R1E226M160AB, "CAP CER 22UF 25V X5R 1206", Device Package="1206 (3216 Metric)", Manufacturer="TDK Corporation", Operating Temperature="-55°C ~ 85°C", Supplier Part Number 1=445-6000-1-ND, Temperature Coefficient=X5R, Tolerance=±20%, Voltage - Rated=25V, Applications="General Purpose", Capacitance=22µF, ComponentLink1Description=Datasheet, ComponentLink1URL=https://product.tdk.com/info/en/catalog/datasheets/mlcc_commercial_general_en.pdf?ref_disty=digikey, ComponentLink2Description="DigiKey Link", ComponentLink2URL=http://digikey.com/product-detail/en/tdk-corporation/C3216X5R1E226M160AB/445-6000-1-ND/2444041, Features="Low ESL", LastUpdated="9/2/2020 1:05:36 AM", Lifecycle Status=Active, Minimum Order=1, Mounting Type="Surface Mount, MLCC", Package / Case="1206 (3216 Metric)", Packaging=TapeAndReel, Part Number=C3216X5R1E226M160AB, Part Status=Active, PartId=21231, Price=0.35, Series=C, Size / Dimension="0.126\" L x 0.063\" W (3.20mm x 1.60mm)", Supplier 1=DigiKey, Thickness (Max)="0.071\" (1.80mm)"